# Altium PCB JTAG-批量下载V06.PcbDoc (part 12 of 13)
Units mil, origin at the board's own origin, x right, y up, seen from the top; angles counter-clockwise.
Board outline 6380 x 5290 mil, 2 copper layers (Top Layer, Bottom Layer); 190 components, 238 nets, 1050 pads, 459 vias.
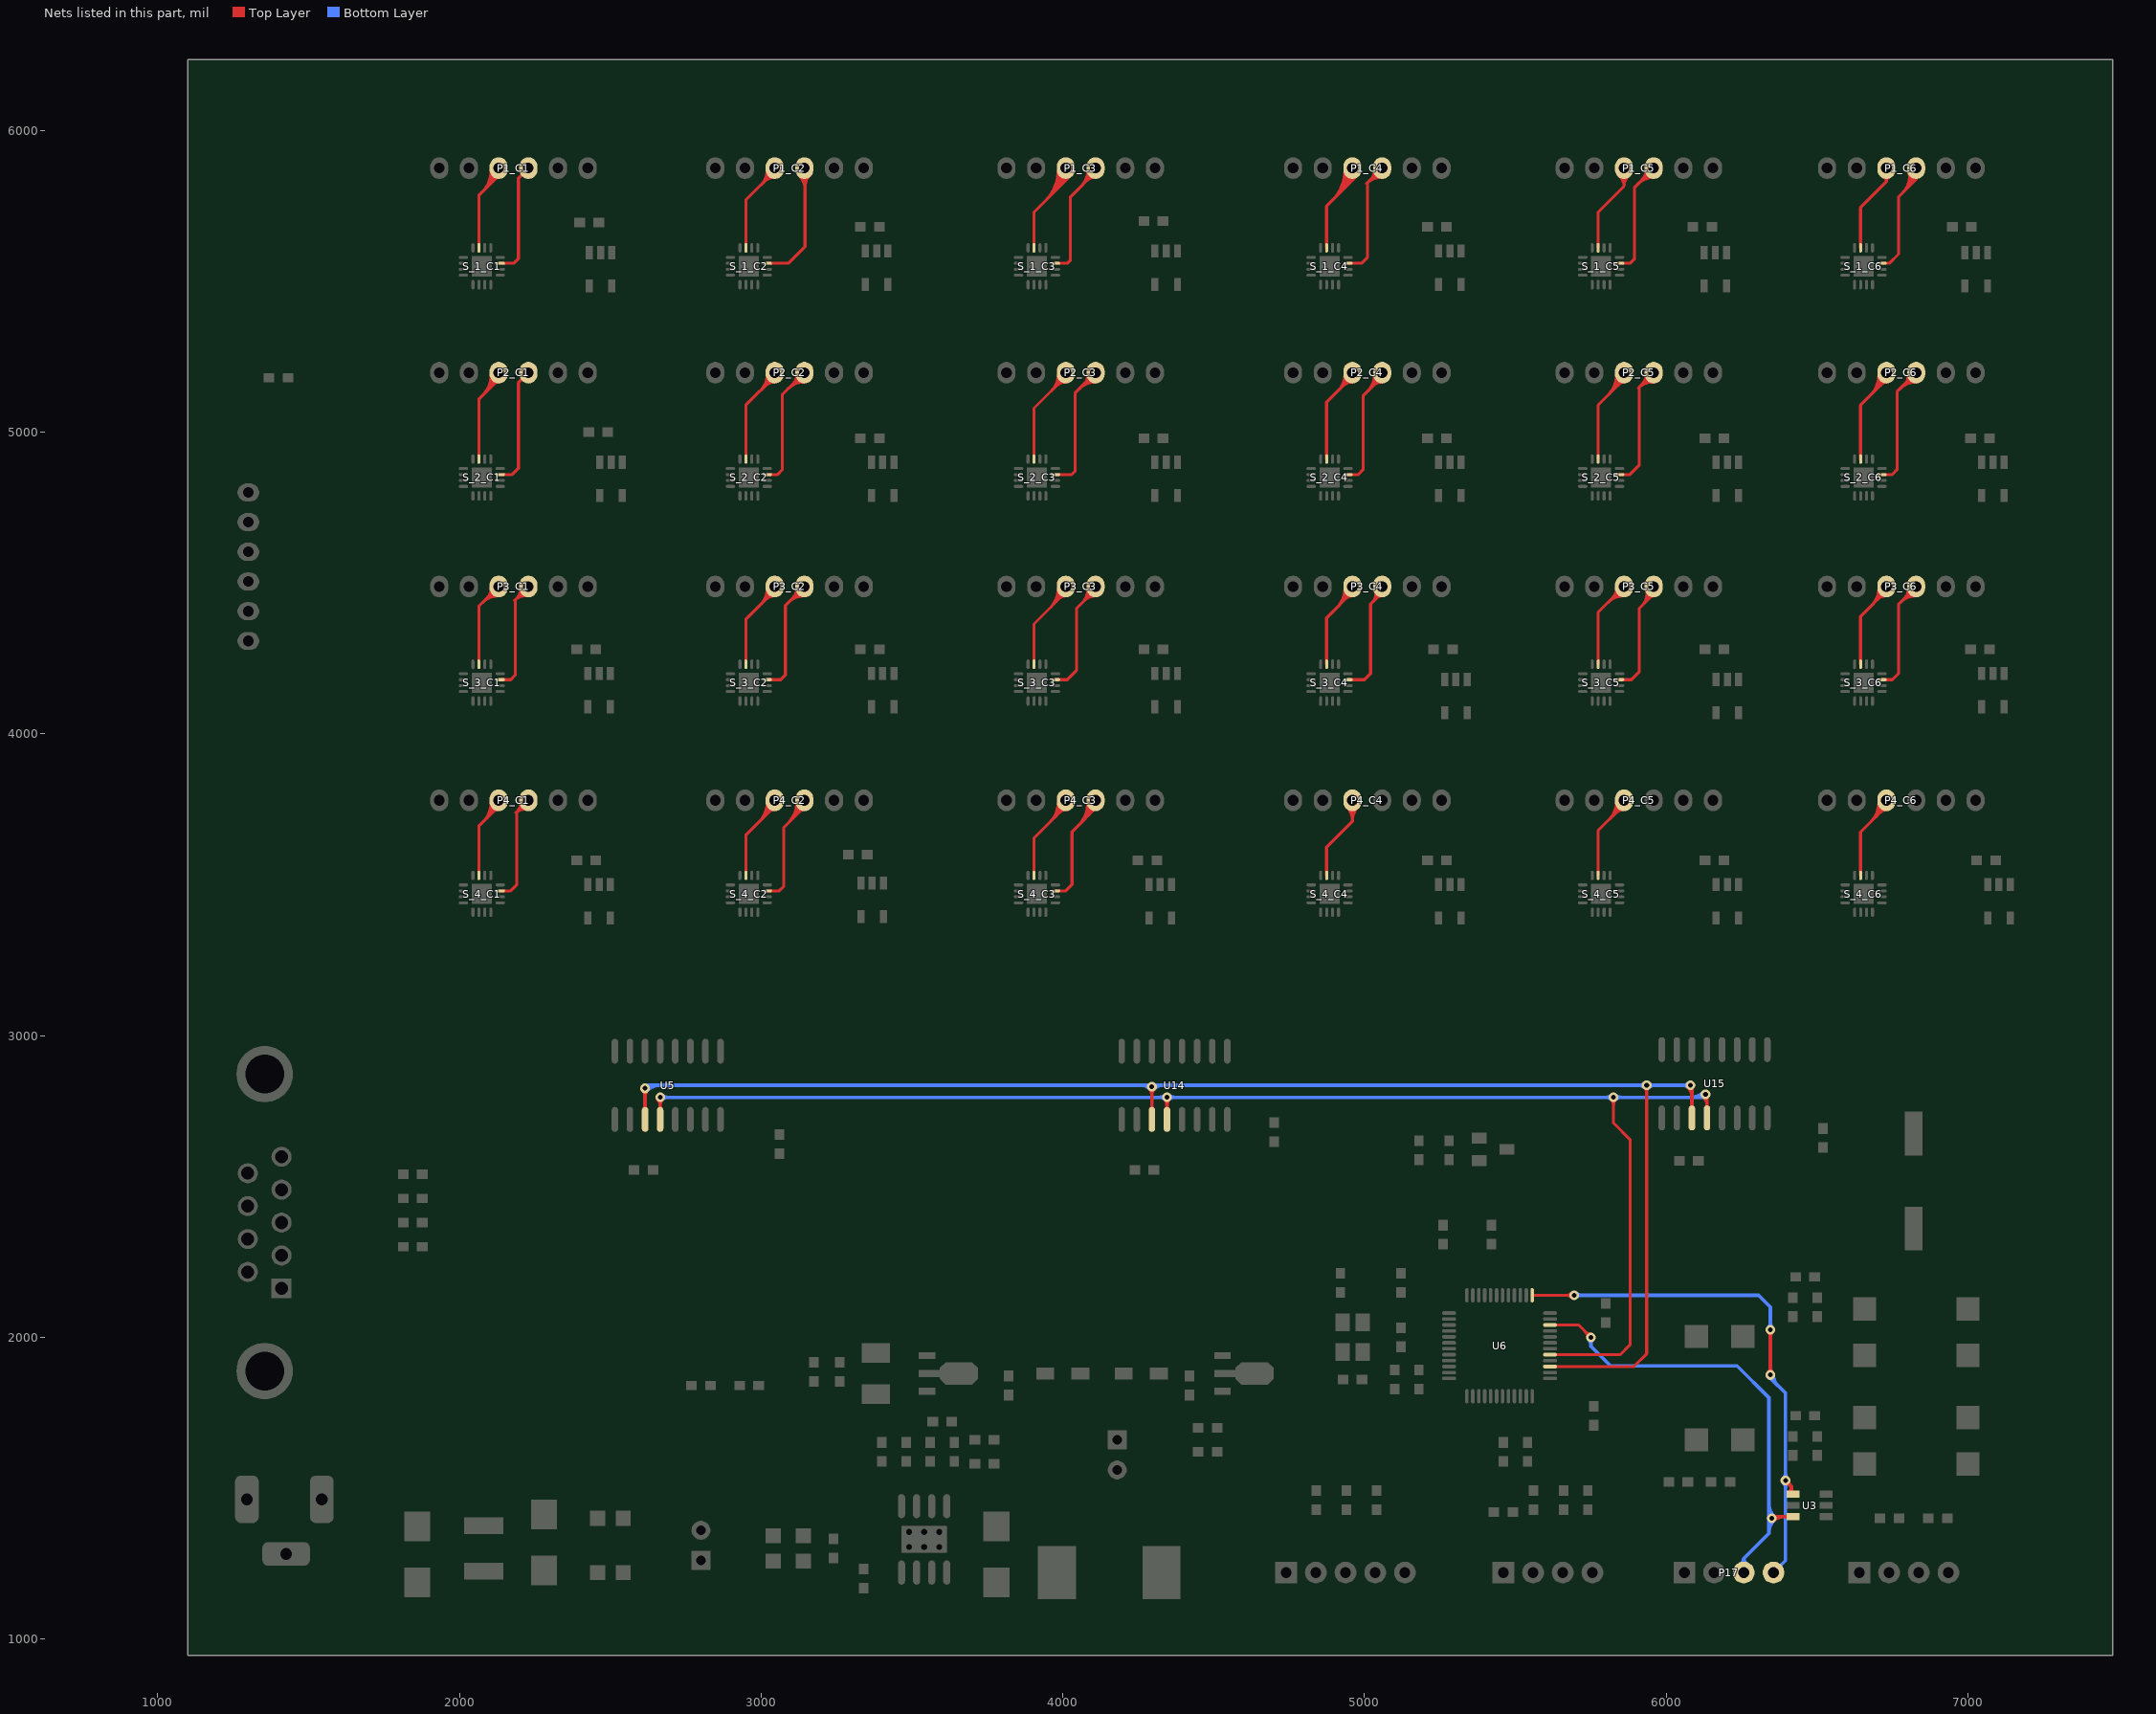
[diagram p12: the nets of this part, all layers, seen from the top]

## Via types
v1: diameter 32, hole 16, Top Layer to Bottom Layer, 347 vias
v2: diameter 50, hole 28, Top Layer to Bottom Layer, 63 vias
v3: diameter 40, hole 20, Top Layer to Bottom Layer, 49 vias

## Nets (pads, with @x,y where several pads share a name; then routed paths per layer and width w, separated by ;. In a path a pad name is that pad's centre, name@x,y a point inside that pad or via, vN(x,y) a via of type N, cw(c..) or ccw(c..) an arc to the next point about the centre after c; other vN are vias at no path point) (continued)
RCLK_1: U5.12 U6.29 U14.12 U15.12 | length 6206
  Top Layer w10: U6.29@5614.65,1942.2 5847.2,1942.2 5880,1975 5880,2655 5825,2710 v1(5825,2795) ; v1@5817.22,2787.22 cw(c5798.44,2768.44) 5825,2768.44 ; v1@5817.22,2787.22 cw(c5798.44,2768.44) 5825,2768.44 ; v1@5817.22,2787.22 cw(c5798.44,2768.44) 5825,2768.44 ; 5825,2768.44 cw(c5851.56,2768.44) v1@5832.78,2787.22 ; 5825,2768.44 cw(c5851.56,2768.44) v1@5832.78,2787.22 ; 5825,2768.44 cw(c5851.56,2768.44) v1@5832.78,2787.22
  Top Layer w12: U5.12@2665,2721.81 v1@2665,2805 ; U14.12@4345,2721.81 v1(4345,2795) ; U15.12@6135,2726.81 v1@6135,2800 ; v1@2657.93,2787.93 cw(c2640.86,2770.86) 2665,2770.86 ; v1@2657.93,2787.93 cw(c2640.86,2770.86) 2665,2770.86 ; v1@2657.93,2787.93 cw(c2640.86,2770.86) 2665,2770.86 ; U5.12@2661.59,2755.74 ccw(c2653.35,2763.98) 2665,2763.98 ; U5.12@2661.59,2755.74 ccw(c2653.35,2763.98) 2665,2763.98 ; U5.12@2661.59,2755.74 ccw(c2653.35,2763.98) 2665,2763.98 ; 2665,2763.98 ccw(c2676.65,2763.98) U5.12@2668.41,2755.74 ; 2665,2763.98 ccw(c2676.65,2763.98) U5.12@2668.41,2755.74 ; 2665,2763.98 ccw(c2676.65,2763.98) U5.12@2668.41,2755.74 ; 2665,2770.86 cw(c2689.14,2770.86) v1@2672.07,2787.93 ; 2665,2770.86 cw(c2689.14,2770.86) v1@2672.07,2787.93 ; 2665,2770.86 cw(c2689.14,2770.86) v1@2672.07,2787.93 ; v1@4337.93,2787.93 cw(c4320.86,2770.86) 4345,2770.86 ; v1@4337.93,2787.93 cw(c4320.86,2770.86) 4345,2770.86 ; v1@4337.93,2787.93 cw(c4320.86,2770.86) 4345,2770.86 ; U14.12@4341.59,2755.74 ccw(c4333.35,2763.98) 4345,2763.98 ; U14.12@4341.59,2755.74 ccw(c4333.35,2763.98) 4345,2763.98 ; U14.12@4341.59,2755.74 ccw(c4333.35,2763.98) 4345,2763.98 ; 4345,2763.98 ccw(c4356.65,2763.98) U14.12@4348.41,2755.74 ; 4345,2763.98 ccw(c4356.65,2763.98) U14.12@4348.41,2755.74 ; 4345,2763.98 ccw(c4356.65,2763.98) U14.12@4348.41,2755.74 ; 4345,2770.86 cw(c4369.14,2770.86) v1@4352.07,2787.93 ; 4345,2770.86 cw(c4369.14,2770.86) v1@4352.07,2787.93 ; 4345,2770.86 cw(c4369.14,2770.86) v1@4352.07,2787.93 ; v1@6122.93,2797.93 cw(c6093.79,2768.79) 6135,2768.79 ; v1@6122.93,2797.93 cw(c6093.79,2768.79) 6135,2768.79 ; v1@6122.93,2797.93 cw(c6093.79,2768.79) 6135,2768.79 ; U15.12@6131.59,2760.74 ccw(c6123.35,2768.98) 6135,2768.98 ; U15.12@6131.59,2760.74 ccw(c6123.35,2768.98) 6135,2768.98 ; U15.12@6131.59,2760.74 ccw(c6123.35,2768.98) 6135,2768.98 ; 6135,2768.98 ccw(c6146.65,2768.98) U15.12@6138.41,2760.74 ; 6135,2768.98 ccw(c6146.65,2768.98) U15.12@6138.41,2760.74 ; 6135,2768.98 ccw(c6146.65,2768.98) U15.12@6138.41,2760.74
  Bottom Layer w12: v1(2665,2795) v1@6130,2795 ; v1@2672.07,2787.93 cw(c2689.14,2770.86) 2689.14,2795 ; v1@2672.07,2787.93 cw(c2689.14,2770.86) 2689.14,2795 ; v1@2672.07,2787.93 cw(c2689.14,2770.86) 2689.14,2795 ; v1@2672.07,2802.07 ccw(c2689.14,2819.14) 2689.14,2795 ; v1@2672.07,2802.07 ccw(c2689.14,2819.14) 2689.14,2795 ; v1@2672.07,2802.07 ccw(c2689.14,2819.14) 2689.14,2795 ; 4320.86,2795 ccw(c4320.86,2819.14) v1@4337.93,2802.07 ; 4320.86,2795 cw(c4320.86,2770.86) v1@4337.93,2787.93 ; 4320.86,2795 ccw(c4320.86,2819.14) v1@4337.93,2802.07 ; 4320.86,2795 cw(c4320.86,2770.86) v1@4337.93,2787.93 ; 4320.86,2795 ccw(c4320.86,2819.14) v1@4337.93,2802.07 ; 4320.86,2795 cw(c4320.86,2770.86) v1@4337.93,2787.93 ; v1@4352.07,2787.93 cw(c4369.14,2770.86) 4369.14,2795 ; v1@4352.07,2787.93 cw(c4369.14,2770.86) 4369.14,2795 ; v1@4352.07,2787.93 cw(c4369.14,2770.86) 4369.14,2795 ; v1@4352.07,2802.07 ccw(c4369.14,2819.14) 4369.14,2795 ; v1@4352.07,2802.07 ccw(c4369.14,2819.14) 4369.14,2795 ; v1@4352.07,2802.07 ccw(c4369.14,2819.14) 4369.14,2795 ; 5800.86,2795 ccw(c5800.86,2819.14) v1@5817.93,2802.07 ; 5800.86,2795 cw(c5800.86,2770.86) v1@5817.93,2787.93 ; 5800.86,2795 ccw(c5800.86,2819.14) v1@5817.93,2802.07 ; 5800.86,2795 cw(c5800.86,2770.86) v1@5817.93,2787.93 ; 5800.86,2795 ccw(c5800.86,2819.14) v1@5817.93,2802.07 ; 5800.86,2795 cw(c5800.86,2770.86) v1@5817.93,2787.93 ; v1@5832.07,2787.93 cw(c5849.14,2770.86) 5849.14,2795 ; v1@5832.07,2787.93 cw(c5849.14,2770.86) 5849.14,2795 ; v1@5832.07,2787.93 cw(c5849.14,2770.86) 5849.14,2795 ; v1@5832.07,2802.07 ccw(c5849.14,2819.14) 5849.14,2795 ; v1@5832.07,2802.07 ccw(c5849.14,2819.14) 5849.14,2795 ; v1@5832.07,2802.07 ccw(c5849.14,2819.14) 5849.14,2795 ; 6081.72,2795 ccw(c6081.72,2853.28) v1@6122.93,2812.07 ; 6081.72,2795 ccw(c6081.72,2853.28) v1@6122.93,2812.07 ; 6081.72,2795 ccw(c6081.72,2853.28) v1@6122.93,2812.07 ; 6110.69,2795 ccw(c6110.69,2824.31) v1@6131.41,2803.59 ; 6110.69,2795 ccw(c6110.69,2824.31) v1@6131.41,2803.59 ; 6110.69,2795 ccw(c6110.69,2824.31) v1@6131.41,2803.59
  other v1: 6130,2805
SRCLK_1: U5.11 U6.27 U14.11 U15.11 | length 6385
  Top Layer w10: U6.27@5614.65,1902.83 5892.83,1902.83 5935,1945 v1(5935,2835) ; v1@5927.22,2827.22 cw(c5908.44,2808.44) 5935,2808.44 ; v1@5927.22,2827.22 cw(c5908.44,2808.44) 5935,2808.44 ; v1@5927.22,2827.22 cw(c5908.44,2808.44) 5935,2808.44 ; 5935,2808.44 cw(c5961.56,2808.44) v1@5942.78,2827.22 ; 5935,2808.44 cw(c5961.56,2808.44) v1@5942.78,2827.22 ; 5935,2808.44 cw(c5961.56,2808.44) v1@5942.78,2827.22
  Top Layer w12: U5.11@2615,2721.81 v1(2615,2825) ; U14.11@4295,2721.81 v1(4295,2830) ; v1(6080,2835) 6085,2830 U15.11@6085,2726.81 ; v1@2607.93,2817.93 cw(c2590.86,2800.86) 2615,2800.86 ; v1@2607.93,2817.93 cw(c2590.86,2800.86) 2615,2800.86 ; v1@2607.93,2817.93 cw(c2590.86,2800.86) 2615,2800.86 ; U5.11@2611.59,2755.74 ccw(c2603.35,2763.98) 2615,2763.98 ; U5.11@2611.59,2755.74 ccw(c2603.35,2763.98) 2615,2763.98 ; U5.11@2611.59,2755.74 ccw(c2603.35,2763.98) 2615,2763.98 ; 2615,2763.98 ccw(c2626.65,2763.98) U5.11@2618.41,2755.74 ; 2615,2763.98 ccw(c2626.65,2763.98) U5.11@2618.41,2755.74 ; 2615,2763.98 ccw(c2626.65,2763.98) U5.11@2618.41,2755.74 ; 2615,2800.86 cw(c2639.14,2800.86) v1@2622.07,2817.93 ; 2615,2800.86 cw(c2639.14,2800.86) v1@2622.07,2817.93 ; 2615,2800.86 cw(c2639.14,2800.86) v1@2622.07,2817.93 ; v1@4287.93,2822.93 cw(c4270.86,2805.86) 4295,2805.86 ; v1@4287.93,2822.93 cw(c4270.86,2805.86) 4295,2805.86 ; v1@4287.93,2822.93 cw(c4270.86,2805.86) 4295,2805.86 ; U14.11@4291.59,2755.74 ccw(c4283.35,2763.98) 4295,2763.98 ; U14.11@4291.59,2755.74 ccw(c4283.35,2763.98) 4295,2763.98 ; U14.11@4291.59,2755.74 ccw(c4283.35,2763.98) 4295,2763.98 ; 4295,2763.98 ccw(c4306.65,2763.98) U14.11@4298.41,2755.74 ; 4295,2763.98 ccw(c4306.65,2763.98) U14.11@4298.41,2755.74 ; 4295,2763.98 ccw(c4306.65,2763.98) U14.11@4298.41,2755.74 ; 4295,2805.86 cw(c4319.14,2805.86) v1@4302.07,2822.93 ; 4295,2805.86 cw(c4319.14,2805.86) v1@4302.07,2822.93 ; 4295,2805.86 cw(c4319.14,2805.86) v1@4302.07,2822.93 ; v1@6072.93,2827.93 cw(c6043.79,2798.79) 6085,2798.79 ; v1@6072.93,2827.93 cw(c6043.79,2798.79) 6085,2798.79 ; v1@6072.93,2827.93 cw(c6043.79,2798.79) 6085,2798.79 ; U15.11@6081.59,2760.74 ccw(c6073.35,2768.98) 6085,2768.98 ; U15.11@6081.59,2760.74 ccw(c6073.35,2768.98) 6085,2768.98 ; U15.11@6081.59,2760.74 ccw(c6073.35,2768.98) 6085,2768.98 ; 6085,2768.98 ccw(c6096.65,2768.98) U15.11@6088.41,2760.74 ; 6085,2768.98 ccw(c6096.65,2768.98) U15.11@6088.41,2760.74 ; 6085,2768.98 ccw(c6096.65,2768.98) U15.11@6088.41,2760.74
  Bottom Layer w12: v1(2615,2825) 2625,2835 v1@6090,2835 ; v1@2613.59,2826.41 cw(c2634.31,2805.69) 2634.31,2835 ; v1@2613.59,2826.41 cw(c2634.31,2805.69) 2634.31,2835 ; v1@2613.59,2826.41 cw(c2634.31,2805.69) 2634.31,2835 ; v1@2622.07,2817.93 cw(c2663.28,2776.72) 2663.28,2835 ; v1@2622.07,2817.93 cw(c2663.28,2776.72) 2663.28,2835 ; v1@2622.07,2817.93 cw(c2663.28,2776.72) 2663.28,2835 ; 4258.79,2835 cw(c4258.79,2793.79) v1@4287.93,2822.93 ; 4258.79,2835 cw(c4258.79,2793.79) v1@4287.93,2822.93 ; 4258.79,2835 cw(c4258.79,2793.79) v1@4287.93,2822.93 ; v1@4302.07,2822.93 cw(c4331.21,2793.79) 4331.21,2835 ; v1@4302.07,2822.93 cw(c4331.21,2793.79) 4331.21,2835 ; v1@4302.07,2822.93 cw(c4331.21,2793.79) 4331.21,2835 ; 5910.86,2835 ccw(c5910.86,2859.14) v1@5927.93,2842.07 ; 5910.86,2835 cw(c5910.86,2810.86) v1@5927.93,2827.93 ; 5910.86,2835 ccw(c5910.86,2859.14) v1@5927.93,2842.07 ; 5910.86,2835 cw(c5910.86,2810.86) v1@5927.93,2827.93 ; 5910.86,2835 ccw(c5910.86,2859.14) v1@5927.93,2842.07 ; 5910.86,2835 cw(c5910.86,2810.86) v1@5927.93,2827.93 ; v1@5942.07,2827.93 cw(c5959.14,2810.86) 5959.14,2835 ; v1@5942.07,2827.93 cw(c5959.14,2810.86) 5959.14,2835 ; v1@5942.07,2827.93 cw(c5959.14,2810.86) 5959.14,2835 ; v1@5942.07,2842.07 ccw(c5959.14,2859.14) 5959.14,2835 ; v1@5942.07,2842.07 ccw(c5959.14,2859.14) 5959.14,2835 ; v1@5942.07,2842.07 ccw(c5959.14,2859.14) 5959.14,2835 ; 6055.86,2835 ccw(c6055.86,2859.14) v1@6072.93,2842.07 ; 6055.86,2835 cw(c6055.86,2810.86) v1@6072.93,2827.93 ; 6055.86,2835 ccw(c6055.86,2859.14) v1@6072.93,2842.07 ; 6055.86,2835 cw(c6055.86,2810.86) v1@6072.93,2827.93 ; 6055.86,2835 ccw(c6055.86,2859.14) v1@6072.93,2842.07 ; 6055.86,2835 cw(c6055.86,2810.86) v1@6072.93,2827.93
SWCLK: P17.4 U3.1 U6.37 | length 2838.1
  Top Layer w10: U6.37@5555.59,2139.06 v1(5694.06,2139.06) ; 5667.5,2139.06 ccw(c5667.5,2165.61) v1@5686.28,2146.83 ; 5667.5,2139.06 cw(c5667.5,2112.5) v1@5686.28,2131.28 ; 5667.5,2139.06 ccw(c5667.5,2165.61) v1@5686.28,2146.83 ; 5667.5,2139.06 cw(c5667.5,2112.5) v1@5686.28,2131.28 ; 5667.5,2139.06 ccw(c5667.5,2165.61) v1@5686.28,2146.83 ; 5667.5,2139.06 cw(c5667.5,2112.5) v1@5686.28,2131.28
  Top Layer w12: v1(6345,1875) v1(6345,2025) ; v1(6395,1525) 6415,1505 ; U3.1@6415,1485 6415,1505 ; v1@6337.93,1882.07 ccw(c6320.86,1899.14) 6345,1899.14 ; v1@6337.93,1882.07 ccw(c6320.86,1899.14) 6345,1899.14 ; v1@6337.93,1882.07 ccw(c6320.86,1899.14) 6345,1899.14 ; v1@6337.93,2017.93 cw(c6320.86,2000.86) 6345,2000.86 ; v1@6337.93,2017.93 cw(c6320.86,2000.86) 6345,2000.86 ; v1@6337.93,2017.93 cw(c6320.86,2000.86) 6345,2000.86 ; 6345,1899.14 ccw(c6369.14,1899.14) v1@6352.07,1882.07 ; 6345,1899.14 ccw(c6369.14,1899.14) v1@6352.07,1882.07 ; 6345,1899.14 ccw(c6369.14,1899.14) v1@6352.07,1882.07 ; 6345,2000.86 cw(c6369.14,2000.86) v1@6352.07,2017.93 ; 6345,2000.86 cw(c6369.14,2000.86) v1@6352.07,2017.93 ; 6345,2000.86 cw(c6369.14,2000.86) v1@6352.07,2017.93 ; v1@6395,1515 cw(c6395,1490.86) 6412.07,1507.93 ; v1@6395,1515 cw(c6395,1490.86) 6412.07,1507.93 ; v1@6395,1515 cw(c6395,1490.86) 6412.07,1507.93 ; v1@6405,1525 ccw(c6429.14,1525) 6412.07,1507.93 ; v1@6405,1525 ccw(c6429.14,1525) 6412.07,1507.93 ; v1@6405,1525 ccw(c6429.14,1525) 6412.07,1507.93 ; U3.1@6406.13,1484.19 ccw(c6386.15,1505) 6415,1505 ; U3.1@6406.13,1484.19 ccw(c6386.15,1505) 6415,1505 ; U3.1@6406.13,1484.19 ccw(c6386.15,1505) 6415,1505
  Bottom Layer w12: v1(5694.06,2139.06) 6305.94,2139.06 6345,2100 v1(6345,2025) ; v1(6345,1875) 6345,1865 6395,1815 6395,1259.72 P17.4@6355.28,1220 ; v1@5701.13,2131.98 cw(c5718.2,2114.91) 5718.2,2139.06 ; v1@5701.13,2131.98 cw(c5718.2,2114.91) 5718.2,2139.06 ; v1@5701.13,2131.98 cw(c5718.2,2114.91) 5718.2,2139.06 ; v1@5701.13,2146.13 ccw(c5718.2,2163.2) 5718.2,2139.06 ; v1@5701.13,2146.13 ccw(c5718.2,2163.2) 5718.2,2139.06 ; v1@5701.13,2146.13 ccw(c5718.2,2163.2) 5718.2,2139.06 ; v1@6337.93,2032.07 ccw(c6320.86,2049.14) 6345,2049.14 ; v1@6337.93,2032.07 ccw(c6320.86,2049.14) 6345,2049.14 ; v1@6337.93,2032.07 ccw(c6320.86,2049.14) 6345,2049.14 ; 6345,2049.14 ccw(c6369.14,2049.14) v1@6352.07,2032.07 ; 6345,2049.14 ccw(c6369.14,2049.14) v1@6352.07,2032.07 ; 6345,2049.14 ccw(c6369.14,2049.14) v1@6352.07,2032.07 ; v1@6387.93,1517.93 cw(c6370.86,1500.86) 6395,1500.86 ; v1@6387.93,1517.93 cw(c6370.86,1500.86) 6395,1500.86 ; v1@6387.93,1517.93 cw(c6370.86,1500.86) 6395,1500.86 ; v1@6387.93,1532.07 ccw(c6370.86,1549.14) 6395,1549.14 ; v1@6387.93,1532.07 ccw(c6370.86,1549.14) 6395,1549.14 ; v1@6387.93,1532.07 ccw(c6370.86,1549.14) 6395,1549.14 ; 6395,1500.86 cw(c6419.14,1500.86) v1@6402.07,1517.93 ; 6395,1500.86 cw(c6419.14,1500.86) v1@6402.07,1517.93 ; 6395,1500.86 cw(c6419.14,1500.86) v1@6402.07,1517.93 ; 6395,1549.14 ccw(c6419.14,1549.14) v1@6402.07,1532.07 ; 6395,1549.14 ccw(c6419.14,1549.14) v1@6402.07,1532.07 ; 6395,1549.14 ccw(c6419.14,1549.14) v1@6402.07,1532.07 ; v1@6355,1875 ccw(c6403.28,1875) 6369.14,1840.86 cw(c6403.28,1875) v1@6355,1875
SWDIO: P17.3 U3.3 U6.34 | length 2424.4
  Top Layer w10: U6.34@5614.65,2040.63 5709.37,2040.63 v1(5750,2000) ; 5731.22,2018.78 ccw(c5750,2037.56) v1@5750,2011 ; 5731.22,2018.78 cw(c5712.44,2000) v1@5739,2000 ; 5731.22,2018.78 ccw(c5750,2037.56) v1@5750,2011 ; 5731.22,2018.78 cw(c5712.44,2000) v1@5739,2000 ; 5731.22,2018.78 ccw(c5750,2037.56) v1@5750,2011 ; 5731.22,2018.78 cw(c5712.44,2000) v1@5739,2000
  Top Layer w12: v1(6350,1400) 6355.2,1405.2 U3.3@6420,1405.2 ; v1@6357.07,1392.93 cw(c6386.69,1363.31) 6386.69,1405.2 ; v1@6357.07,1392.93 cw(c6386.69,1363.31) 6386.69,1405.2 ; v1@6357.07,1392.93 cw(c6386.69,1363.31) 6386.69,1405.2 ; 6396.13,1405.2 ccw(c6396.13,1419.23) U3.3@6406.05,1409.31 ; 6396.13,1405.2 cw(c6396.13,1391.17) U3.3@6406.05,1401.09 ; 6396.13,1405.2 ccw(c6396.13,1419.23) U3.3@6406.05,1409.31 ; 6396.13,1405.2 cw(c6396.13,1391.17) U3.3@6406.05,1401.09 ; 6396.13,1405.2 ccw(c6396.13,1419.23) U3.3@6406.05,1409.31 ; 6396.13,1405.2 cw(c6396.13,1391.17) U3.3@6406.05,1401.09
  Bottom Layer w12: v1(5750,2000) 5750,1970 5815,1905 6235,1905 6340,1800 6340,1350 6256.85,1266.85 ; P17.3@6256.85,1220 6256.85,1266.85 ; v1@5742.93,1992.93 cw(c5725.86,1975.86) 5750,1975.86 ; v1@5742.93,1992.93 cw(c5725.86,1975.86) 5750,1975.86 ; v1@5742.93,1992.93 cw(c5725.86,1975.86) 5750,1975.86 ; 5750,1975.86 cw(c5774.14,1975.86) v1@5757.07,1992.93 ; 5750,1975.86 cw(c5774.14,1975.86) v1@5757.07,1992.93 ; 5750,1975.86 cw(c5774.14,1975.86) v1@5757.07,1992.93 ; P17.3@6244.3,1247.25 ccw(c6235.27,1266.85) 6256.85,1266.85 ; P17.3@6244.3,1247.25 ccw(c6235.27,1266.85) 6256.85,1266.85 ; P17.3@6244.3,1247.25 ccw(c6235.27,1266.85) 6256.85,1266.85 ; 6256.85,1266.85 ccw(c6278.43,1266.85) P17.3@6269.4,1247.25 ; 6256.85,1266.85 ccw(c6278.43,1266.85) P17.3@6269.4,1247.25 ; 6256.85,1266.85 ccw(c6278.43,1266.85) P17.3@6269.4,1247.25 ; 6340,1419.31 ccw(c6369.31,1419.31) v1@6348.59,1398.59 ; 6340,1419.31 ccw(c6369.31,1419.31) v1@6348.59,1398.59 ; 6340,1419.31 ccw(c6369.31,1419.31) v1@6348.59,1398.59 ; 6340,1448.28 ccw(c6398.28,1448.28) v1@6357.07,1407.07 ; 6340,1448.28 ccw(c6398.28,1448.28) v1@6357.07,1407.07 ; 6340,1448.28 ccw(c6398.28,1448.28) v1@6357.07,1407.07 ; 6340,1351.72 cw(c6398.28,1351.72) 6357.07,1392.93 ccw(c6398.28,1351.72) 6340,1351.72 ; 6340,1380.69 cw(c6369.31,1380.69) 6348.59,1401.41 ccw(c6369.31,1380.69) 6340,1380.69
TCK_1_C1: P1_C1.4 S_1_C1.7 | length 905.4
  Top Layer w10: S_1_C1.7@2064.13,5610.55 2064.13,5784.13 2130,5850 P1_C1.4@2130,5874.72 ; 2073.78,5793.78 ccw(c1999.06,5868.49) P1_C1.4@2104.72,5868.9 ; 2073.78,5793.78 ccw(c1999.06,5868.49) P1_C1.4@2104.72,5868.9 ; 2073.78,5793.78 ccw(c1999.06,5868.49) P1_C1.4@2104.72,5868.9 ; 2090.75,5810.75 ccw(c2032.88,5868.62) P1_C1.4@2114.72,5868.94 ; 2090.75,5810.75 ccw(c2032.88,5868.62) P1_C1.4@2114.72,5868.94 ; 2090.75,5810.75 ccw(c2032.88,5868.62) P1_C1.4@2114.72,5868.94 ; 2107.73,5827.73 ccw(c2066.71,5868.76) P1_C1.4@2124.72,5868.98 ; 2107.73,5827.73 ccw(c2066.71,5868.76) P1_C1.4@2124.72,5868.98 ; 2107.73,5827.73 ccw(c2066.71,5868.76) P1_C1.4@2124.72,5868.98 ; 2119.95,5839.95 cw(c2129.72,5830.18) P1_C1.4@2129.72,5844 ; 2119.95,5839.95 cw(c2129.72,5830.18) P1_C1.4@2129.72,5844 ; 2119.95,5839.95 cw(c2129.72,5830.18) P1_C1.4@2129.72,5844
TCK_1_C2: P1_C2.4 S_1_C2.7 | length 695.3
  Top Layer w10: S_1_C2.7@2949.13,5610.55 2949.13,5769.13 P1_C2.4@3050,5870 ; 2999.02,5819.02 ccw(c2949.05,5869) P1_C2.4@3019.72,5869 ; 2999.02,5819.02 ccw(c2949.05,5869) P1_C2.4@3019.72,5869 ; 2999.02,5819.02 ccw(c2949.05,5869) P1_C2.4@3019.72,5869 ; 3009.35,5829.35 cw(c3044.72,5793.97) P1_C2.4@3044.72,5844 ; 3009.35,5829.35 cw(c3044.72,5793.97) P1_C2.4@3044.72,5844 ; 3009.35,5829.35 cw(c3044.72,5793.97) P1_C2.4@3044.72,5844 ; 3016.09,5836.09 ccw(c2983.19,5869) P1_C2.4@3029.72,5869 ; 3016.09,5836.09 ccw(c2983.19,5869) P1_C2.4@3029.72,5869 ; 3016.09,5836.09 ccw(c2983.19,5869) P1_C2.4@3029.72,5869
TCK_1_C3: P1_C3.4 S_1_C3.7 | length 1508.4
  Top Layer w10: S_1_C3.7@3904.13,5610.55 3904.13,5729.13 4009.72,5834.72 P1_C3.4@4009.72,5875 ; 3942.81,5767.81 ccw(c3841.62,5869) P1_C3.4@3984.72,5869 ; 3942.81,5767.81 ccw(c3841.62,5869) P1_C3.4@3984.72,5869 ; 3942.81,5767.81 ccw(c3841.62,5869) P1_C3.4@3984.72,5869 ; 3959.88,5784.88 ccw(c3875.76,5869) P1_C3.4@3994.72,5869 ; 3959.88,5784.88 ccw(c3875.76,5869) P1_C3.4@3994.72,5869 ; 3959.88,5784.88 ccw(c3875.76,5869) P1_C3.4@3994.72,5869 ; 3976.95,5801.95 ccw(c3909.9,5869) P1_C3.4@4004.72,5869 ; 3976.95,5801.95 ccw(c3909.9,5869) P1_C3.4@4004.72,5869 ; 3976.95,5801.95 ccw(c3909.9,5869) P1_C3.4@4004.72,5869 ; 3994.02,5819.02 ccw(c3944.05,5869) P1_C3.4@4014.72,5869 ; 3994.02,5819.02 ccw(c3944.05,5869) P1_C3.4@4014.72,5869 ; 3994.02,5819.02 ccw(c3944.05,5869) P1_C3.4@4014.72,5869 ; P1_C3.4@4002.09,5845.19 cw(c3998.73,5834.73) 4009.72,5834.73 ; P1_C3.4@4002.09,5845.19 cw(c3998.73,5834.73) 4009.72,5834.73 ; P1_C3.4@4002.09,5845.19 cw(c3998.73,5834.73) 4009.72,5834.73 ; 4009.72,5834.73 cw(c4020.72,5834.73) P1_C3.4@4017.36,5845.19 ; 4009.72,5834.73 cw(c4020.72,5834.73) P1_C3.4@4017.36,5845.19 ; 4009.72,5834.73 cw(c4020.72,5834.73) P1_C3.4@4017.36,5845.19 ; 4011.09,5836.09 ccw(c3978.19,5869) P1_C3.4@4024.72,5869 ; 4011.09,5836.09 ccw(c3978.19,5869) P1_C3.4@4024.72,5869 ; 4011.09,5836.09 ccw(c3978.19,5869) P1_C3.4@4024.72,5869
TCK_1_C4: P1_C4.4 S_1_C4.7 | length 1500.1
  Top Layer w10: S_1_C4.7@4874.13,5610.55 4874.13,5749.13 4959.72,5834.72 P1_C4.4@4959.72,5875 ; 4892.81,5767.81 ccw(c4791.62,5869) P1_C4.4@4934.72,5869 ; 4892.81,5767.81 ccw(c4791.62,5869) P1_C4.4@4934.72,5869 ; 4892.81,5767.81 ccw(c4791.62,5869) P1_C4.4@4934.72,5869 ; 4909.88,5784.88 ccw(c4825.76,5869) P1_C4.4@4944.72,5869 ; 4909.88,5784.88 ccw(c4825.76,5869) P1_C4.4@4944.72,5869 ; 4909.88,5784.88 ccw(c4825.76,5869) P1_C4.4@4944.72,5869 ; 4926.95,5801.95 ccw(c4859.9,5869) P1_C4.4@4954.72,5869 ; 4926.95,5801.95 ccw(c4859.9,5869) P1_C4.4@4954.72,5869 ; 4926.95,5801.95 ccw(c4859.9,5869) P1_C4.4@4954.72,5869 ; 4944.02,5819.02 ccw(c4894.05,5869) P1_C4.4@4964.72,5869 ; 4944.02,5819.02 ccw(c4894.05,5869) P1_C4.4@4964.72,5869 ; 4944.02,5819.02 ccw(c4894.05,5869) P1_C4.4@4964.72,5869 ; P1_C4.4@4952.09,5845.19 cw(c4948.73,5834.73) 4959.72,5834.73 ; P1_C4.4@4952.09,5845.19 cw(c4948.73,5834.73) 4959.72,5834.73 ; P1_C4.4@4952.09,5845.19 cw(c4948.73,5834.73) 4959.72,5834.73 ; 4959.72,5834.73 cw(c4970.72,5834.73) P1_C4.4@4967.36,5845.19 ; 4959.72,5834.73 cw(c4970.72,5834.73) P1_C4.4@4967.36,5845.19 ; 4959.72,5834.73 cw(c4970.72,5834.73) P1_C4.4@4967.36,5845.19 ; 4961.09,5836.09 ccw(c4928.19,5869) P1_C4.4@4974.72,5869 ; 4961.09,5836.09 ccw(c4928.19,5869) P1_C4.4@4974.72,5869 ; 4961.09,5836.09 ccw(c4928.19,5869) P1_C4.4@4974.72,5869
TCK_1_C5: P1_C5.4 S_1_C5.7 | length 684.6
  Top Layer w10: S_1_C5.7@5774.13,5610.55 5774.13,5729.13 5859.72,5814.72 P1_C5.4@5859.72,5875 ; P1_C5.4@5843.48,5850 cw(c5813.31,5814.73) 5859.72,5814.73 ; P1_C5.4@5843.48,5850 cw(c5813.31,5814.73) 5859.72,5814.73 ; P1_C5.4@5843.48,5850 cw(c5813.31,5814.73) 5859.72,5814.73 ; P1_C5.4@5849.98,5857.6 cw(c5831.88,5836.44) 5859.72,5836.44 ; P1_C5.4@5849.98,5857.6 cw(c5831.88,5836.44) 5859.72,5836.44 ; P1_C5.4@5849.98,5857.6 cw(c5831.88,5836.44) 5859.72,5836.44 ; 5859.72,5814.73 cw(c5906.13,5814.73) P1_C5.4@5875.97,5850 ; 5859.72,5814.73 cw(c5906.13,5814.73) P1_C5.4@5875.97,5850 ; 5859.72,5814.73 cw(c5906.13,5814.73) P1_C5.4@5875.97,5850 ; 5859.72,5836.44 cw(c5887.57,5836.44) P1_C5.4@5869.47,5857.6 ; 5859.72,5836.44 cw(c5887.57,5836.44) P1_C5.4@5869.47,5857.6 ; 5859.72,5836.44 cw(c5887.57,5836.44) P1_C5.4@5869.47,5857.6
TCK_1_C6: P1_C6.4 S_1_C6.7 | length 424.7
  Top Layer w10: S_1_C6.7@6644.13,5610.55 6644.13,5744.13 6729.72,5829.72 P1_C6.4@6729.72,5875 ; P1_C6.4@6719.14,5846.35 cw(c6711.37,5829.73) 6729.72,5829.73 ; P1_C6.4@6719.14,5846.35 cw(c6711.37,5829.73) 6729.72,5829.73 ; P1_C6.4@6719.14,5846.35 cw(c6711.37,5829.73) 6729.72,5829.73 ; 6729.72,5829.73 cw(c6748.07,5829.73) P1_C6.4@6740.31,5846.35 ; 6729.72,5829.73 cw(c6748.07,5829.73) P1_C6.4@6740.31,5846.35 ; 6729.72,5829.73 cw(c6748.07,5829.73) P1_C6.4@6740.31,5846.35
TCK_2_C1: P2_C1.4 S_2_C1.7 | length 895.1
  Top Layer w10: S_2_C1.7@2064.13,4910.55 2064.13,5109.13 2129.72,5174.72 P2_C1.4@2129.72,5196.85 ; 2075.64,5120.64 ccw(c2005.44,5190.85) P2_C1.4@2104.72,5190.85 ; 2075.64,5120.64 ccw(c2005.44,5190.85) P2_C1.4@2104.72,5190.85 ; 2075.64,5120.64 ccw(c2005.44,5190.85) P2_C1.4@2104.72,5190.85 ; 2092.71,5137.71 ccw(c2039.58,5190.85) P2_C1.4@2114.72,5190.85 ; 2092.71,5137.71 ccw(c2039.58,5190.85) P2_C1.4@2114.72,5190.85 ; 2092.71,5137.71 ccw(c2039.58,5190.85) P2_C1.4@2114.72,5190.85 ; 2109.79,5154.79 ccw(c2073.72,5190.85) P2_C1.4@2124.72,5190.85 ; 2109.79,5154.79 ccw(c2073.72,5190.85) P2_C1.4@2124.72,5190.85 ; 2109.79,5154.79 ccw(c2073.72,5190.85) P2_C1.4@2124.72,5190.85 ; 2114.58,5159.58 cw(c2129.72,5144.43) P2_C1.4@2129.72,5165.85 ; 2114.58,5159.58 cw(c2129.72,5144.43) P2_C1.4@2129.72,5165.85 ; 2114.58,5159.58 cw(c2129.72,5144.43) P2_C1.4@2129.72,5165.85